# Altium PCB BW1097.PcbDoc (part 4 of 7) (continued)
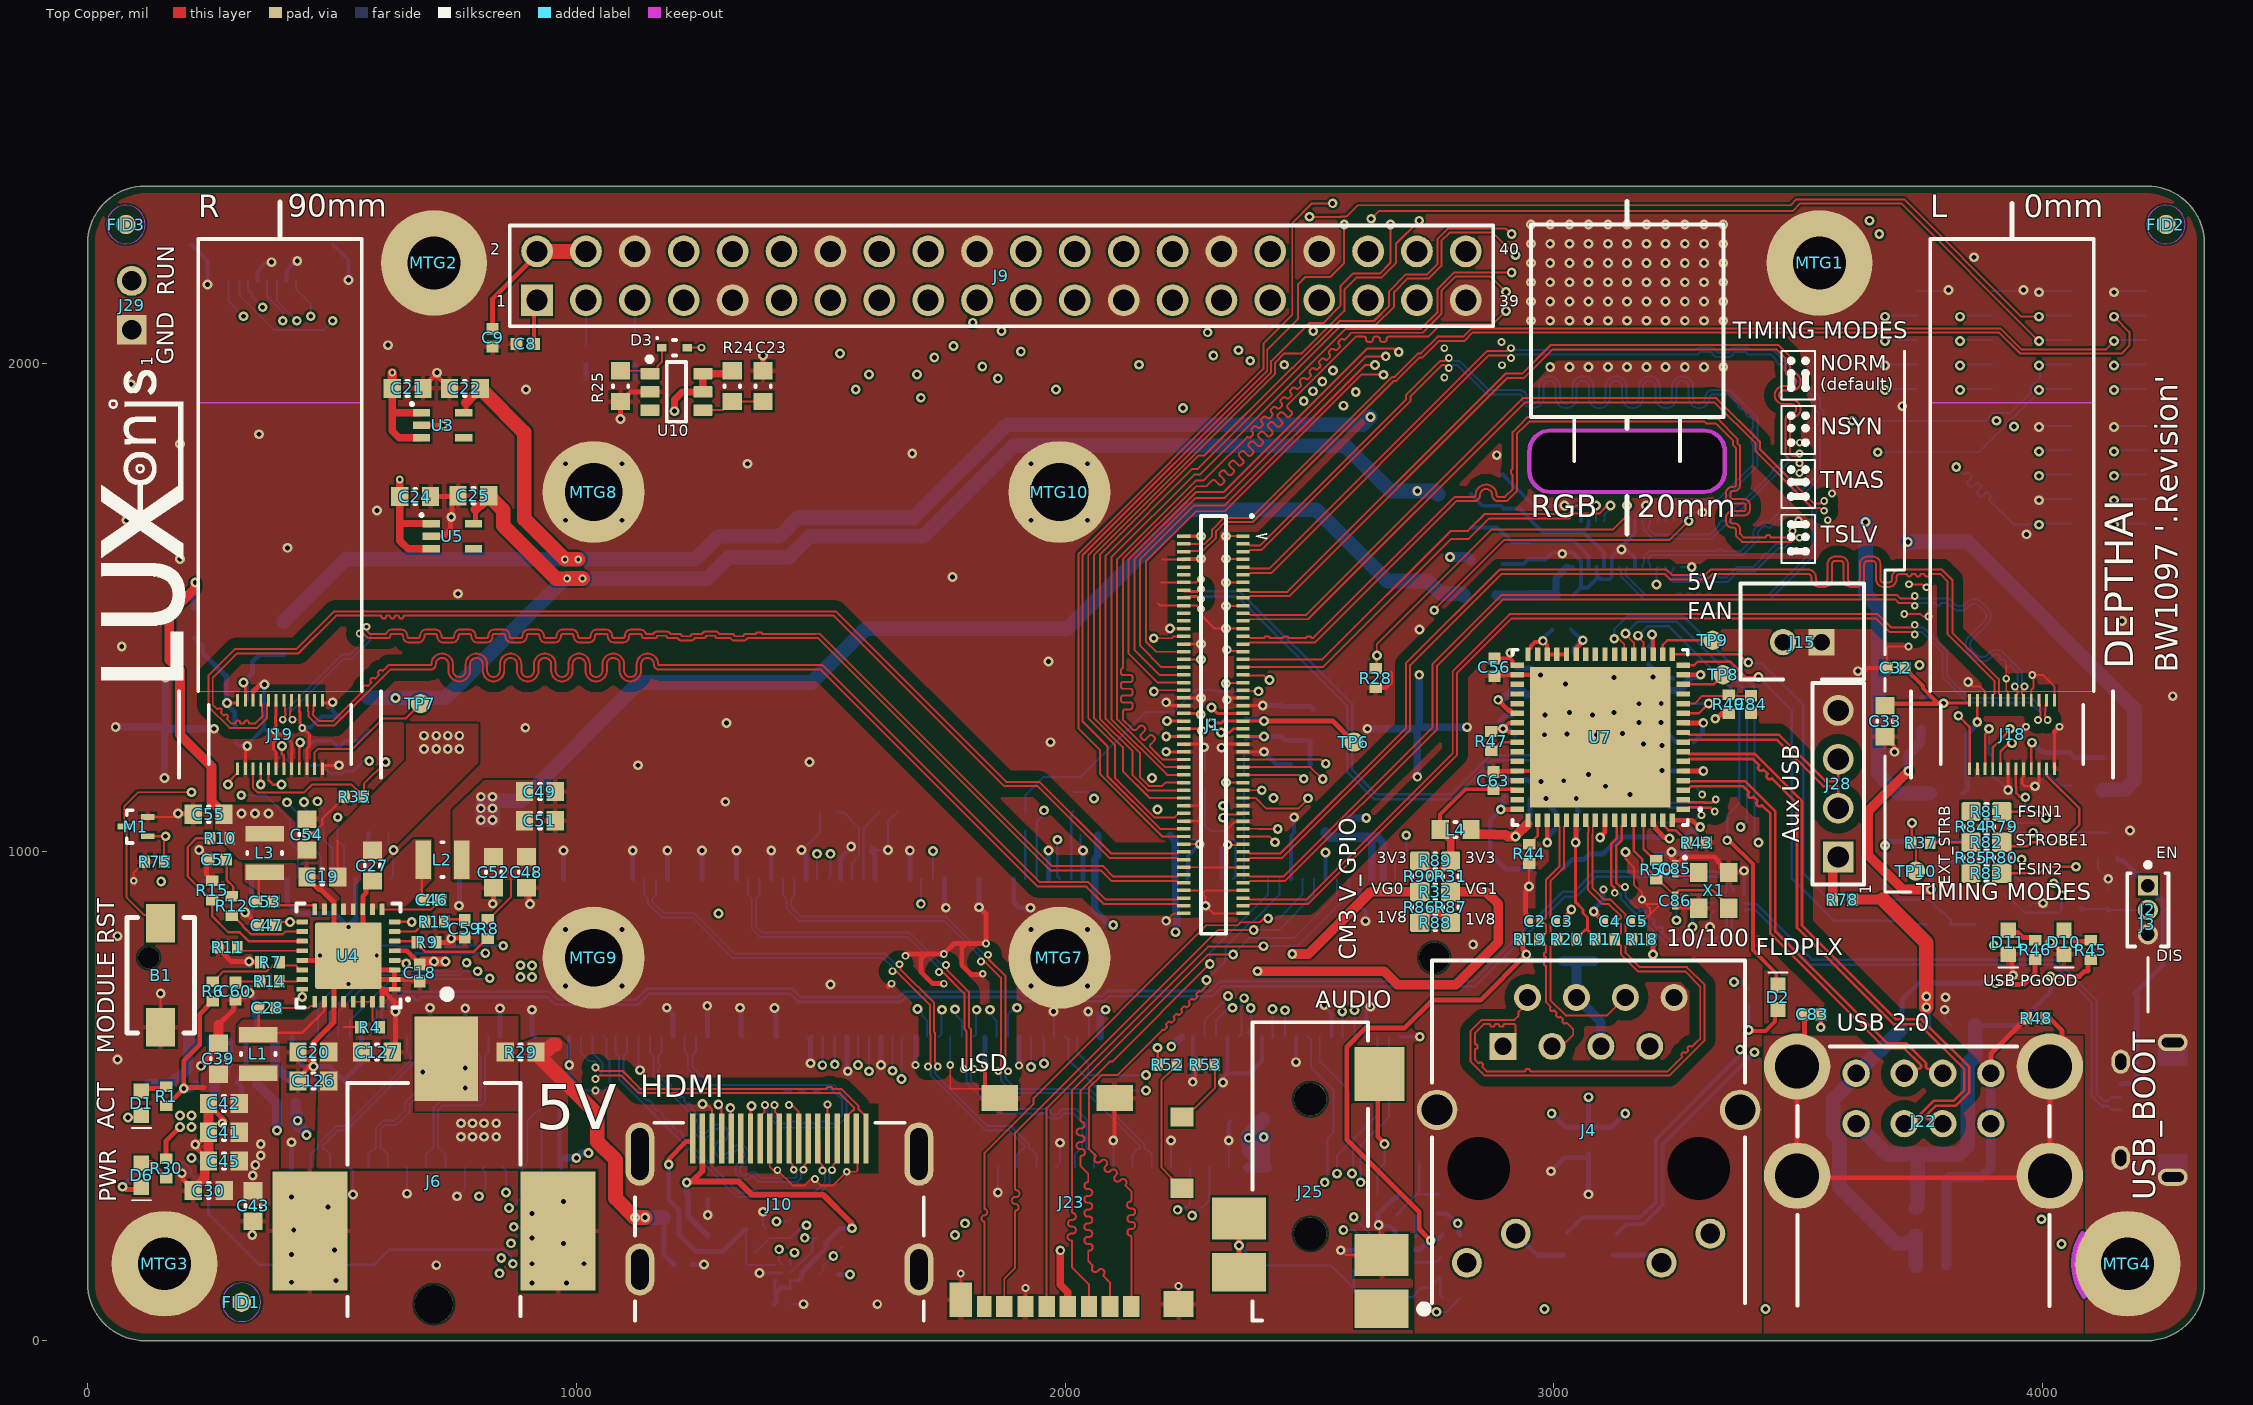
[diagram p0: Top Copper view]
## Nets (pads, with @x,y where several pads share a name; then routed paths per layer and width w, separated by ;. In a path a pad name is that pad's centre, name@x,y a point inside that pad or via, vN(x,y) a via of type N, cw(c..) or ccw(c..) an arc to the next point about the centre after c; other vN are vias at no path point) (continued)
HDMI_D1_P: J10.4 J24.125 | length 729.9
  Top Copper w4: v2(1523.28,348.86) 1525.58,351.16 1525.58,359.83 1533.47,367.72 J10.4@1533.47,413.39
  Bottom Copper w4: J24.125@1079.86,621.89 1079.86,589.01 1087.17,581.7 1087.17,535.41 1328.43,294.15 1490.67,294.15 1517.78,321.26 1517.78,340.52 1523.28,346.02 v2(1523.28,348.86)
HDMI_D2_N: J10.3 J24.129 | length 730.4
  Top Copper w4: v2(1039.37,535.43) 1040.4,535.43 1047.71,542.74 1091,542.74 1127.44,506.3 1538.26,506.3 1568.34,476.22 1568.34,472.91 1565.99,470.57 1564.66,470.57 1553.15,459.05 J10.3@1553.15,413.39
  Bottom Copper w4: J24.129@1032.61,621.89 1032.61,589.01 1040,581.62 1040.18,581.62 1053.37,568.43 1053.37,549.43 v2(1039.37,535.43)
HDMI_D2_P: J10.1 J24.131 | length 733.7
  Top Copper w4: v2(1039.37,559.05) 1040.4,559.05 1047.71,551.74 1094.73,551.74 1131.17,515.3 1496.06,515.3 1511.99,515.3 cw(c1515.99,515.3) 1515.99,519.3 1519.99,519.3 cw(c1519.99,515.3) 1523.99,515.3 1535.99,515.3 1541.99,515.3 1577.34,479.95 1577.34,472.91 1579.68,470.57 1581.01,470.57 1592.52,459.05 J10.1@1592.52,413.39
  Bottom Copper w4: J24.131@1008.99,621.89 1008.99,589.01 1025.38,572.62 1036.45,572.62 1038.8,570.28 1038.8,564.6 1039.2,564.19 1041.33,564.19 1039.37,562.23 v2(1039.37,559.05)
HDMI_HPD: J10.19 Q4.1 U2.C3 | length 535.1
  Top Copper w10: v1(1188.94,360.24) 1188.94,371.6 1225.07,407.73 1238.19,407.73 J10.19@1238.19,413.39
  Bottom Copper w4: Q4.1@1347.18,230.12 1347.18,227.95 1347.18,159.45 1351.85,154.78 1405.98,154.78 U2.C3@1406.23,154.53
  Bottom Copper w10: v1(1188.94,360.24) 1188.94,288.51 1209.78,267.67 1209.78,216.93 1243.83,182.87 1299.93,182.87 1342.14,225.08 1344.31,225.08 Q4.1@1347.18,227.95
HDMI_HPD_N_1V8: J24.88 Q4.3 R27.1 | length 977.7
  Signal Layer 3 w4: v1(1470.67,236.22) 1470.67,335.85 1478.73,343.91 1478.73,545.36 1461.1,562.98 1461.1,839.05 1519.68,897.63 v1(1519.68,996.06)
  Bottom Copper w4: Q4.3@1366.86,179.33 1366.86,181.5 1395.8,210.43 R27.1@1437.73,210.43 1457.69,230.39 1457.69,231.89 1466.34,231.89 v1(1470.67,236.22) ; J24.88@1516.86,944.72 1515.75,945.84 1519.68,949.78 v1(1519.68,996.06)
HDMI_SCL: J10.15 J24.175 U2.A3 | length 2144
  Top Copper w4: J10.15@1316.93,413.39 1315.94,414.37 1315.94,475.39 v1@1316.93,476.38
  Signal Layer 2 w4: v1(866.14,199.24) 899.87,232.97 1393.54,232.97 v1(1446.39,180.12)
  Signal Layer 3 w4: v1(775.59,773.26) 825,773.26 855.67,742.59 855.67,729.93 882.05,703.55 882.05,417.96 825,360.91 825,296.69 814.2,285.89 814.2,234.59 849.56,199.24 v1(866.14,199.24) ; v1(1314.96,476.38) 1314.96,311.55 1365.89,260.62 1365.89,257.15 1375.26,247.78 1378.73,247.78 v1(1446.39,180.12)
  Bottom Copper w4: J24.175@489.31,621.89 494.79,627.37 494.79,672.05 520.77,698.03 521.69,698.03 550.12,726.45 550.12,727.38 578.55,755.81 645.28,755.81 645.36,755.73 758.06,755.73 v1(775.59,773.26) ; U2.A3@1437.73,154.53 1437.73,168.98 1446.39,177.64 v1(1446.39,180.12)
HDMI_SDA: J10.16 J24.173 U2.B3 | length 2136.3
  Top Copper w4: v1(1290.51,483.49) 1296.04,483.49 1297.24,482.28 J10.16@1297.24,413.39
  Signal Layer 2 w4: v1(846.45,169.29) 849.52,172.35 858.37,172.35 859.5,173.48 867.83,173.48 880.14,185.79 929.88,185.79 969.06,224.97 1377.13,224.97 1414.9,187.2 v1(1414.9,186.93)
  Signal Layer 3 w4: v1(798.09,755.81) 799.78,757.49 829.45,757.49 847.67,739.27 847.67,726.62 871.59,702.7 871.59,418.81 784.72,331.95 784.72,231.02 v1(846.45,169.29) ; v1(1290.51,483.49) 1290.51,311.59 1414.9,187.2 v1(1414.9,186.93)
  Bottom Copper w4: J24.173@512.93,621.89 512.93,671.99 588.74,747.81 641.97,747.81 642.04,747.73 761.38,747.73 769.45,755.81 v1(798.09,755.81) ; v1(1414.9,186.93) 1414.9,161.61 U2.B3@1421.98,154.53
I2C1_SCL: J1.35 J11.20 | length 924.8
  Top Copper w4: J1.35@2364.76,1377.95 2527.14,1377.95 2789.35,1640.16 2825.16,1640.16 2866.95,1681.94 3031.61,1681.94 3041.83,1692.16 3092.78,1692.16 3106.41,1705.79 3112.76,1705.79 v1(3115.63,1708.66)
  Bottom Copper w4: J11.20@3102.36,1677.17 3103.78,1678.59 3103.78,1690.4 3115.63,1702.25 v1(3115.63,1708.66)
I2C1_SDA: J1.33 J11.19 | length 883.2
  Top Copper w4: J1.33@2364.92,1393.8 2526.26,1393.8 2789.29,1656.83 2823.71,1656.83 2857.83,1690.94 3027.88,1690.94 3045.6,1708.66 v1(3085.94,1708.66)
  Bottom Copper w4: v1(3085.94,1708.66) 3085.94,1677.84 J11.19@3086.61,1677.17
I2C2_SCL: J1.77 J18.21 J19.21 | length 3968.8
  Top Copper w4: J1.77@2364.92,1047.35 2395.43,1047.35 2395.74,1047.03 v1(2434.99,1047.03)
  Top Copper w5: v1(354.33,1137.79) J19.21@354.33,1175.59 ; J18.21@3897.64,1175.59 3897.64,1213.88 3933.06,1249.3 v1(3933.06,1251.97)
  Signal Layer 2 w4: v1(354.33,1137.79) 372.05,1137.79 388.05,1153.79 407.1,1153.79 437.01,1123.88 472.93,1123.88 501.49,1095.32 526.22,1095.32 580.67,1040.87 979.79,1040.87 989.83,1050.91 2409.21,1050.91 2413.09,1047.03 v1(2434.99,1047.03) 2616.03,1047.03 2639.83,1070.83 2897.6,1070.83 2898.46,1071.69 3252.18,1071.69 3288.75,1035.13 3330.07,1035.13 3362.13,1067.18 3529.61,1067.18 3544.86,1051.93 3697.6,1051.93 3712.35,1066.68 3712.35,1073.56 3874.76,1235.97 3917.06,1235.97 v1(3933.06,1251.97)
I2C2_SDA: J1.79 J18.20 J19.20 | length 3979.1
  Top Copper w4: 370.08,1146.81 J19.20@370.08,1175.59 ; J1.79@2364.92,1031.6 2417.21,1031.6 v1(2429.13,1019.68)
  Top Copper w5: 370.08,1146.81 379.1,1137.79 v1(396.66,1137.79) ; J18.20@3913.39,1175.59 3913.39,1205.35 3927.6,1219.57 3934.14,1219.57 v1(3937.01,1222.44)
  Signal Layer 2 w4: v1(396.66,1137.79) 396.66,1116.46 391.96,1111.76 391.96,1094.75 394.08,1092.63 394.08,1056.79 431.21,1019.65 587.14,1019.65 600.36,1032.87 983.1,1032.87 993.15,1042.91 2405.9,1042.91 v1(2429.13,1019.68) 2600,1019.68 2638.39,1058.08 2822.44,1058.08 2828.18,1052.33 2906.03,1052.33 2917.39,1063.69 3248.87,1063.69 3285.43,1027.13 3333.39,1027.13 3345.88,1039.62 3370.81,1039.62 3375.26,1035.18 3411.37,1035.18 3411.48,1035.29 3677.33,1035.29 3684.92,1027.7 3742.27,1027.7 v1(3937.01,1222.44)
I2C3_SCL: J1.78 J5.2 | length 3507.8
  Top Copper w4: J1.78@2242.52,1047.24 2194.41,1047.24 2086.61,1155.04 2086.61,1216.54 2035.43,1267.72 2035.43,1606.8 2413.39,1984.75 2413.39,2027.56 2476.38,2090.55 2476.38,2161.42 2490.61,2175.65 2541.79,2175.65 2570.87,2204.72 v1(2570.87,2283.46)
  Signal Layer 2 w4: v1(2570.87,2283.46) 2606.43,2319.02 2728.47,2319.02 2732.28,2322.83 3409.45,2322.83 3424.94,2307.34 3940.69,2307.34 4118.11,2129.92 4118.11,1972.44 v1(4145.67,1944.88)
  Bottom Copper w4: v1(4145.67,1944.88) 4148.03,1947.24 J5.2@4210.63,1947.24
I2C3_SDA: J1.80 J5.4 | length 3587.7
  Top Copper w4: J1.80@2242.52,1031.5 2198.84,1031.5 2070.87,1159.47 2070.87,1208.66 2027.43,1252.09 2027.43,1610.11 2405.39,1988.06 2405.39,2039.24 2464.57,2098.43 2464.57,2286.41 2504.93,2326.77 v1(2547.24,2326.77) v1@2547.5,2327.02
  Signal Layer 2 w4: v1@2547.5,2327.02 2711.29,2327.02 2718.91,2334.65 3417.32,2334.65 3436.63,2315.34 4023.24,2315.34 4157.48,2181.1 4157.48,2155.7 4161.67,2151.51 4161.67,2010.88 v1(4145.67,1994.88)
  Bottom Copper w4: v1(4145.67,1994.88) 4148.03,1997.24 J5.4@4210.63,1997.24
LED_GRN: J4.10 R16.2 | length 115.9
  Bottom Copper w10: J4.10@2921.85,219.19 2965.85,175.2 R16.2@3019.56,175.2
LED_YEL: J4.11 R23.2 | length 105.5
  Bottom Copper w10: R23.2@3120.95,175.2 3204.04,175.2 J4.11@3219.88,159.35
LX1: C28.2 L1.1 U4.26 | length 227
  Top Copper w5: L1.1@349.31,626.92 L1.1@349.83,627.44 ; C28.2@349.83,680.98 L1.1@349.83,627.44 ; U4.26@484.46,693.39 484.46,675.01 439.69,630.24 352.63,630.24 L1.1@349.83,627.44
LX2: C46.2 L2.1 U4.10 | length 85
  Top Copper w5: L2.1@685.76,984.25 683.6,982.09 683.6,904.92 C46.2@686.94,901.57
LX3: C53.2 L3.1 U4.15 | length 66.5
  Top Copper w5: C53.2@344.59,898.23 350.71,904.35 350.71,945.79 L3.1@362.31,957.39
MIPI_RX2_C_N: J1.95 J18.11 | length 2156.1
  Top Copper w4: J1.95@2364.92,905.61 2375.35,905.61 2378.72,902.24 2492.94,902.24 2792.84,1202.14 2792.84,1370.01 2909.39,1486.56 3662.25,1486.56 3689.79,1459.01 3730.41,1459.01 3735.91,1464.51 v2(3738.07,1464.51) ; J18.11@4007.87,1304.72 4005.35,1302.2 4005.35,1287.08 4004.53,1286.27 4004.53,1278.42 4010,1272.96 v2(4010,1270.08)
  Bottom Copper w4: v2(3738.07,1464.51) 3740.91,1464.51 3746.41,1459.01 3755.8,1459.01 3803.87,1410.94 3803.87,1360.52 3849.59,1314.79 3977.52,1314.79 4004.5,1287.81 4004.5,1278.42 4010,1272.92 v2(4010,1270.08)
MIPI_RX2_C_P: J1.97 J18.10 | length 2158.3
  Top Copper w4: J1.97@2364.92,889.86 2375.35,889.86 2378.72,893.24 2496.67,893.24 2801.84,1198.41 2801.84,1366.28 2913.12,1477.56 3658.52,1477.56 3686.06,1450.01 3722.92,1450.01 3730.41,1450.01 3735.91,1444.51 v2(3738.07,1444.51) ; v2(3990,1270.08) 3990,1273.88 3995.47,1279.35 3995.47,1286.27 3994.65,1287.08 3994.65,1302.2 J18.10@3992.13,1304.72
  Bottom Copper w4: v2(3738.07,1444.51) 3740.91,1444.51 3746.41,1450.01 3752.07,1450.01 3794.87,1407.22 3794.87,1356.79 3845.87,1305.79 3881.89,1305.79 3904.44,1305.79 cw(c3904.44,1303.94) 3906.29,1303.94 ccw(c3909.44,1303.94) 3909.44,1300.79 3912.14,1300.79 ccw(c3912.14,1303.94) 3915.29,1303.94 cw(c3917.14,1303.94) 3917.14,1305.79 3922.44,1305.79 cw(c3922.44,1303.94) 3924.29,1303.94 ccw(c3927.44,1303.94) 3927.44,1300.79 3930.14,1300.79 ccw(c3930.14,1303.94) 3933.29,1303.94 cw(c3935.14,1303.94) 3935.14,1305.79 3940.44,1305.79 cw(c3940.44,1303.94) 3942.29,1303.94 ccw(c3945.44,1303.94) 3945.44,1300.79 3948.14,1300.79 ccw(c3948.14,1303.94) 3951.29,1303.94 cw(c3953.14,1303.94) 3953.14,1305.79 3960.29,1305.79 3969.29,1305.79 3973.79,1305.79 3979.59,1299.99 3985.95,1293.62 3992.32,1287.26 3995.5,1284.08 3995.5,1278.42 3990,1272.92 v2(3990,1270.08)
MIPI_RX2_D0_N: J1.89 J18.8 | length 2166.7
  Top Copper w4: J1.89@2364.92,952.86 2375.35,952.86 2378.69,949.52 2446.33,949.52 2751.83,1255.01 2751.83,1384.76 2892.48,1525.42 3702.15,1525.42 3709.5,1518.07 3730.41,1518.07 3735.91,1523.57 v2(3738.07,1523.57) ; J18.8@3960.63,1304.72 3960.63,1319.84 3957.29,1323.18 3957.29,1330.24 3962.76,1335.71 v2(3962.76,1338.58)
  Bottom Copper w4: v2(3738.07,1523.57) 3740.91,1523.57 3746.41,1518.07 3808.7,1518.07 3820.24,1506.53 ccw(c3830.18,1516.47) 3840.09,1506.51 ; 3840.11,1506.53 3843.07,1509.49 cw(c3859.37,1493.19) 3875.66,1509.49 3886.91,1498.24 cw(c3870.61,1481.95) 3893.66,1481.95 cw(c3870.61,1481.95) 3886.91,1465.65 3854.76,1433.5 ccw(c3864.7,1423.57) 3854.76,1413.63 3866.01,1402.39 ccw(c3875.94,1412.32) 3885.85,1402.37 ; 3885.87,1402.39 3890.97,1407.48 cw(c3905.13,1393.32) 3919.29,1407.48 3957.26,1369.52 3957.26,1346.93 3962.76,1341.43 v2(3962.76,1338.58)
MIPI_RX2_D0_P: J1.91 J18.7 | length 2169.8
  Top Copper w4: J1.91@2364.92,937.11 2375.35,937.11 2378.76,940.52 2450.06,940.52 2760.83,1251.28 2760.83,1381.04 2896.21,1516.42 3698.42,1516.42 3705.77,1509.07 3730.41,1509.07 3735.91,1503.57 v2(3738.07,1503.57) ; v2(3942.76,1338.58) 3942.76,1335.71 3948.22,1330.24 3948.22,1323.18 3944.88,1319.84 J18.7@3944.88,1310.04 J18.7@3944.88,1304.72
  Bottom Copper w4: v2(3738.07,1503.57) 3740.91,1503.57 3746.41,1509.07 3775.7,1509.07 3779.93,1509.07 cw(c3779.93,1507.22) 3781.78,1507.22 ccw(c3784.93,1507.22) 3784.93,1504.07 3787.63,1504.07 ccw(c3787.63,1507.22) 3790.78,1507.22 cw(c3792.63,1507.22) 3792.63,1509.07 3795.28,1509.07 3804.98,1509.07 3813.88,1500.17 ccw(c3830.18,1516.47) 3846.47,1500.17 3849.43,1503.12 ; 3849.45,1503.14 cw(c3859.37,1493.19) 3869.3,1503.12 ; 3869.3,1503.13 3880.55,1491.88 cw(c3870.61,1481.95) 3884.66,1481.95 cw(c3870.61,1481.95) 3880.54,1472.01 3848.4,1439.86 ccw(c3864.7,1423.57) 3848.4,1407.27 3859.64,1396.02 ccw(c3875.94,1412.32) 3892.24,1396.02 3897.33,1401.12 cw(c3905.13,1393.32) 3912.93,1401.12 3913.25,1400.79 3911.95,1399.48 ccw(c3914.17,1397.25) 3911.95,1395.03 3913.86,1393.12 ccw(c3916.08,1395.34) 3918.31,1393.12 cw(c3919.62,1391.81) 3920.93,1393.12 3924.67,1389.37 cw(c3923.37,1388.06) 3924.67,1386.75 ccw(c3926.9,1384.53) 3924.67,1382.3 3926.58,1380.39 ccw(c3928.81,1382.62) 3931.04,1380.39 cw(c3932.35,1379.08) 3933.65,1380.39 3938.71,1375.33 3945.07,1368.97 3948.26,1365.79 3948.26,1346.93 3942.76,1341.43 v2(3942.76,1338.58)
MIPI_RX2_D1_N: J1.83 J18.5 | length 2287.4
  Top Copper w4: J1.83@2364.92,1000.1 2375.35,1000.1 2378.73,996.73 2398.11,996.73 2440.3,996.73 2696.85,1253.27 2696.85,1385.76 2888.53,1577.44 3230.56,1577.44 3241.33,1566.68 3309.85,1566.68 3320.85,1577.68 3519.55,1577.68 cw(c3519.55,1561.63) 3535.6,1561.63 3535.6,1558.02 ccw(c3542.65,1558.02) 3542.65,1550.97 3552.55,1550.97 ccw(c3552.55,1558.02) 3559.6,1558.02 3559.6,1588.33 cw(c3575.65,1588.33) 3575.65,1604.38 3585.55,1604.38 cw(c3585.55,1588.33) 3601.6,1588.33 3601.6,1558.02 ccw(c3608.65,1558.02) 3608.65,1550.97 3618.55,1550.97 ccw(c3618.55,1558.02) 3625.6,1558.02 3625.6,1588.33 cw(c3641.65,1588.33) 3641.65,1604.38 3651.55,1604.38 cw(c3651.55,1588.33) 3667.6,1588.33 3667.6,1558.02 ccw(c3674.65,1558.02) 3674.65,1550.97 3684.55,1550.97 ccw(c3684.55,1558.02) 3691.6,1558.02 3691.6,1561.63 cw(c3707.65,1561.63) 3707.65,1577.68 3793.56,1577.68 3815.04,1556.2 3815.04,1448.56 3910.01,1353.59 3910.01,1323.18 3913.39,1319.8 J18.5@3913.39,1304.72
MIPI_RX2_D1_P: J1.85 J18.4 | length 2289.6
  Top Copper w4: J1.85@2364.92,984.35 2375.35,984.35 2378.72,987.73 2401.84,987.73 2444.03,987.73 2705.85,1249.55 2705.85,1382.03 2892.26,1568.44 3226.84,1568.44 3237.6,1557.68 3313.58,1557.68 3324.58,1568.68 3519.55,1568.68 cw(c3519.55,1561.63) 3526.6,1561.63 3526.6,1558.02 ccw(c3542.65,1558.02) 3542.65,1541.97 3552.55,1541.97 ccw(c3552.55,1558.02) 3568.6,1558.02 3568.6,1588.33 cw(c3575.65,1588.33) 3575.65,1595.38 3585.55,1595.38 cw(c3585.55,1588.33) 3592.6,1588.33 3592.6,1558.02 ccw(c3608.65,1558.02) 3608.65,1541.97 3618.55,1541.97 ccw(c3618.55,1558.02) 3634.6,1558.02 3634.6,1588.33 cw(c3641.65,1588.33) 3641.65,1595.38 3651.55,1595.38 cw(c3651.55,1588.33) 3658.6,1588.33 3658.6,1558.02 ccw(c3674.65,1558.02) 3674.65,1541.97 3684.55,1541.97 ccw(c3684.55,1558.02) 3700.6,1558.02 3700.6,1561.63 cw(c3707.65,1561.63) 3707.65,1568.68 3716.54,1568.68 3720.49,1568.68 cw(c3720.49,1566.83) 3722.34,1566.83 ccw(c3725.49,1566.83) 3725.49,1563.68 3728.19,1563.68 ccw(c3728.19,1566.83) 3731.34,1566.83 cw(c3733.19,1566.83) 3733.19,1568.68 3738.49,1568.68 cw(c3738.49,1566.83) 3740.34,1566.83 ccw(c3743.49,1566.83) 3743.49,1563.68 3746.19,1563.68 ccw(c3746.19,1566.83) 3749.34,1566.83 cw(c3751.19,1566.83) 3751.19,1568.68 3756.49,1568.68 cw(c3756.49,1566.83) 3758.34,1566.83 ccw(c3761.49,1566.83) 3761.49,1563.68 3764.19,1563.68 ccw(c3764.19,1566.83) 3767.34,1566.83 cw(c3769.19,1566.83) 3769.19,1568.68 3776.34,1568.68 3785.34,1568.68 3789.84,1568.68 3805.42,1553.1 3805.42,1445.46 3901.01,1349.87 3901.01,1323.18 3897.64,1319.8 J18.4@3897.64,1310.04 J18.4@3897.64,1304.72
MIPI_RX3_C_N: J1.96 J19.11 | length 2500.8
  Top Copper w4: J19.11@464.57,1304.72 462.04,1302.2 462.04,1287.12 461.19,1286.27 461.19,1280.61 474.09,1267.72 501.49,1267.72 558.58,1324.81 565.1,1331.33 cw(c568.99,1335.22) 565.1,1339.11 cw(c568.99,1335.22) 572.88,1339.11 580.66,1346.89 cw(c584.55,1350.78) 580.66,1354.67 cw(c584.55,1350.78) 588.44,1354.67 596.22,1362.44 cw(c600.11,1366.33) 596.22,1370.22 cw(c600.11,1366.33) 604,1370.22 611.77,1378 615.66,1381.89 701.49,1381.89 ccw(c701.49,1383.89) 703.49,1383.89 cw(c725.49,1383.89) 747.49,1383.89 747.49,1370.89 ccw(c760.49,1370.89) 773.49,1370.89 773.49,1383.89 cw(c795.49,1383.89) 817.49,1383.89 817.49,1370.89 ccw(c830.49,1370.89) 843.49,1370.89 843.49,1383.89 cw(c865.49,1383.89) 887.49,1383.89 887.49,1370.89 ccw(c900.49,1370.89) 913.49,1370.89 913.49,1383.89 cw(c935.49,1383.89) 957.49,1383.89 957.49,1370.89 ccw(c970.49,1370.89) 983.49,1370.89 983.49,1383.89 cw(c1005.49,1383.89) 1027.49,1383.89 1027.49,1370.89 ccw(c1040.49,1370.89) 1053.49,1370.89 1053.49,1383.89 cw(c1075.49,1383.89) 1097.49,1383.89 1097.49,1370.89 ccw(c1110.49,1370.89) 1123.49,1370.89 1123.49,1383.89 cw(c1145.49,1383.89) 1167.49,1383.89 ccw(c1169.49,1383.89) 1169.49,1381.89 1503.81,1381.89 1947.59,938.1 2047.32,938.1 2083.19,902.24 2195.79,902.24 2195.89,902.14 2227.73,902.14 2231.2,905.61 J1.96@2241.69,905.61
MIPI_RX3_C_P: J1.98 J19.10 | length 2496.8
  Top Copper w4: J19.10@448.82,1304.72 451.35,1302.2 451.35,1287.12 452.19,1286.27 452.19,1276.89 470.36,1258.72 505.22,1258.72 619.39,1372.89 701.49,1372.89 ccw(c701.49,1383.89) 712.49,1383.89 cw(c725.49,1383.89) 738.49,1383.89 738.49,1370.89 ccw(c760.49,1370.89) 782.49,1370.89 782.49,1383.89 cw(c795.49,1383.89) 808.49,1383.89 808.49,1370.89 ccw(c830.49,1370.89) 852.49,1370.89 852.49,1383.89 cw(c865.49,1383.89) 878.49,1383.89 878.49,1370.89 ccw(c900.49,1370.89) 922.49,1370.89 922.49,1383.89 cw(c935.49,1383.89) 948.49,1383.89 948.49,1370.89 ccw(c970.49,1370.89) 992.49,1370.89 992.49,1383.89 cw(c1005.49,1383.89) 1018.49,1383.89 1018.49,1370.89 ccw(c1040.49,1370.89) 1062.49,1370.89 1062.49,1383.89 cw(c1075.49,1383.89) 1088.49,1383.89 1088.49,1370.89 ccw(c1110.49,1370.89) 1132.49,1370.89 1132.49,1383.89 cw(c1145.49,1383.89) 1158.49,1383.89 ccw(c1169.49,1383.89) 1169.49,1372.89 1500.08,1372.89 1943.86,929.1 2043.6,929.1 2079.46,893.24 2192.07,893.24 2192.17,893.14 2227.73,893.14 2231,889.86 J1.98@2241.69,889.86
MIPI_RX3_D0_N: J1.90 J19.8 | length 2376.5
  Top Copper w3.96: v2(570.87,1460.63) 572.86,1458.64 572.86,1450.83 577.56,1446.13 611.13,1446.13 cw(c623.84,1441.65) 623.84,1455.13 640.76,1455.13 cw(c640.76,1441.65) 654.24,1441.65 ccw(c658.76,1441.65) 658.76,1437.13 675.67,1437.13 ccw(c675.67,1441.65) 680.19,1441.65 cw(c693.67,1441.65) 693.67,1455.13 710.59,1455.13 cw(c710.59,1441.65) 724.07,1441.65 ccw(c728.59,1441.65) 728.59,1437.13 745.5,1437.13 ccw(c745.5,1441.65) 750.02,1441.65 cw(c763.5,1441.65) 763.5,1455.13 780.41,1455.13 cw(c780.41,1441.65) 793.89,1441.65 ccw(c798.41,1441.65) 798.41,1437.13 815.33,1437.13 ccw(c815.33,1441.65) 819.85,1441.65 cw(c833.33,1441.65) 833.33,1455.13 850.24,1455.13 cw(c850.24,1441.65) 863.72,1441.65 ccw(c868.24,1441.65) 868.24,1437.13 885.16,1437.13 ccw(c885.16,1441.65) 889.68,1441.65 cw(c903.16,1441.65) 903.16,1455.13 920.07,1455.13 cw(c920.07,1441.65) 933.55,1441.65 ccw(c938.07,1441.65) 938.07,1437.13 954.98,1437.13 ccw(c954.98,1441.65) 959.51,1441.65 cw(c972.98,1441.65) 972.98,1455.13 989.9,1455.13 cw(c989.9,1441.65) 1003.38,1441.65 ccw(c1007.9,1441.65) 1007.9,1437.13 1024.81,1437.13 ccw(c1024.81,1441.65) 1029.33,1441.65 cw(c1042.81,1441.65) 1042.81,1455.13 1059.73,1455.13 cw(c1059.73,1441.65) 1073.21,1441.65 ccw(c1077.73,1441.65) 1077.73,1437.13 1094.64,1437.13 ccw(c1094.64,1441.65) 1099.16,1441.65 cw(c1112.64,1441.65) 1112.64,1455.13 1129.55,1455.13 cw(c1129.55,1441.65) 1142.27,1446.13 1157.47,1446.13 cw(c1165.83,1441.65) 1165.83,1451.13 1183.74,1451.13 cw(c1183.74,1441.65) 1192.09,1446.13 1210.83,1446.13 cw(c1210.83,1441.65) 1215.31,1441.65 ; 1215.83,1441.13 1233.74,1441.13 ; 1234.27,1441.65 cw(c1238.74,1441.65) 1238.74,1446.13 1257.48,1446.13 cw(c1265.83,1441.65) 1265.83,1451.13 1283.75,1451.13 cw(c1283.75,1441.65) 1292.1,1446.13 1318.63,1446.13 cw(c1318.63,1441.65) 1323.11,1441.65 ; 1323.63,1441.13 1341.55,1441.13 ; 1342.07,1441.65 cw(c1346.55,1441.65) 1346.55,1446.13 1361.81,1446.13 1367.79,1446.13 cw(c1370.79,1446.13) 1370.79,1449.13 1376.75,1449.13 cw(c1376.75,1446.13) 1379.75,1446.13 1385.83,1446.13 1487.85,1446.13 1488.01,1446.3 1497.94,1446.3
  Top Copper w4: J19.8@417.32,1304.72 414.8,1302.2 414.8,1287.08 413.98,1286.27 413.98,1278.79 419.45,1273.32 v2(419.45,1270.44) ; 1497.94,1446.3 1973,971.24 2076.83,971.24 2098.69,949.38 2227.73,949.38 2231.1,952.76 J1.90@2241.54,952.76
  Bottom Copper w3.96: 413.93,1279.51 413.93,1284.38 ; 413.95,1284.4 524.19,1394.65 540.54,1394.65 579.44,1433.55 579.44,1444.25 572.86,1450.83 572.86,1458.64 v2(570.87,1460.63)
  Bottom Copper w4: 413.95,1284.74 413.95,1284.4 413.95,1278.79 419.45,1273.29 v2(419.45,1270.44)
MIPI_RX3_D0_P: J1.92 J19.7 | length 2370.5
  Top Copper w3.96: v2(556.72,1446.49) 558.72,1444.5 566.53,1444.5 573.85,1437.18 614.84,1437.18 ccw(c614.84,1441.65) 619.32,1441.65 cw(c623.84,1441.65) 623.84,1446.18 640.76,1446.18 cw(c640.76,1441.65) 645.28,1441.65 ccw(c658.76,1441.65) 658.76,1428.18 675.67,1428.18 ccw(c675.67,1441.65) 689.15,1441.65 cw(c693.67,1441.65) 693.67,1446.18 710.59,1446.18 cw(c710.59,1441.65) 715.11,1441.65 ccw(c728.59,1441.65) 728.59,1428.18 745.5,1428.18 ccw(c745.5,1441.65) 758.98,1441.65 cw(c763.5,1441.65) 763.5,1446.18 780.41,1446.18 cw(c780.41,1441.65) 784.94,1441.65 ccw(c798.41,1441.65) 798.41,1428.18 815.33,1428.18 ccw(c815.33,1441.65) 828.81,1441.65 cw(c833.33,1441.65) 833.33,1446.18 850.24,1446.18 cw(c850.24,1441.65) 854.76,1441.65 ccw(c868.24,1441.65) 868.24,1428.18 885.16,1428.18 ccw(c885.16,1441.65) 898.64,1441.65 cw(c903.16,1441.65) 903.16,1446.18 920.07,1446.18 cw(c920.07,1441.65) 924.59,1441.65 ccw(c938.07,1441.65) 938.07,1428.18 954.98,1428.18 ccw(c954.98,1441.65) 968.46,1441.65 cw(c972.98,1441.65) 972.98,1446.18 989.9,1446.18 cw(c989.9,1441.65) 994.42,1441.65 ccw(c1007.9,1441.65) 1007.9,1428.18 1024.81,1428.18 ccw(c1024.81,1441.65) 1038.29,1441.65 cw(c1042.81,1441.65) 1042.81,1446.18 1059.73,1446.18 cw(c1059.73,1441.65) 1064.25,1441.65 ccw(c1077.73,1441.65) 1077.73,1428.18 1094.64,1428.18 ccw(c1094.64,1441.65) 1108.12,1441.65 cw(c1112.64,1441.65) 1112.64,1446.18 1129.55,1446.18 cw(c1129.55,1441.65) 1134.08,1441.65 ccw(c1138.55,1441.65) 1138.55,1437.18 1160.83,1437.18 ccw(c1160.83,1441.65) 1165.3,1441.65 ; 1165.83,1442.18 1183.74,1442.18 ; 1184.26,1441.65 ccw(c1188.74,1441.65) 1188.74,1437.18 1207.48,1437.18 ccw(c1215.83,1441.65) 1215.83,1432.18 1233.74,1432.18 ccw(c1233.74,1441.65) 1242.1,1437.18 1260.83,1437.18 ccw(c1260.83,1441.65) 1265.31,1441.65 ; 1265.83,1442.18 1283.75,1442.18 ; 1284.27,1441.65 ccw(c1288.75,1441.65) 1288.75,1437.18 1315.28,1437.18 ccw(c1323.63,1441.65) 1323.63,1432.18 1341.55,1432.18 ccw(c1341.55,1441.65) 1349.9,1437.18 1487.85,1437.18 1494.34,1437.18 1494.5,1437.01
  Top Copper w4: v2(399.45,1270.44) 399.45,1273.32 404.92,1278.79 404.92,1286.27 404.1,1287.08 404.1,1302.2 J19.7@401.57,1304.72 ; 1494.5,1437.01 1969.27,962.24 2073.1,962.24 2094.96,940.38 2227.73,940.38 2231.1,937.01 J1.92@2241.54,937.01
  Bottom Copper w3.96: 404.95,1288.47 410.2,1293.72 410.6,1293.72 520.48,1403.6 536.83,1403.6 570.48,1437.26 570.48,1440.54 566.53,1444.5 558.72,1444.5 v2(556.72,1446.49)
  Bottom Copper w4: v2(399.45,1270.44) 399.45,1273.29 404.95,1278.79 404.95,1288.47
MIPI_RX3_D1_N: J1.84 J19.5 | length 2497.3
  Top Copper w3.96: 427.88,1415.28 504.72,1492.13 1530.57,1492.13 1879.39,1143.31 1947.26,1143.31 2093.86,996.71 2167.5,996.71 2167.56,996.76
  Top Copper w4: J19.5@370.08,1304.72 367.55,1302.2 367.55,1287.12 366.7,1286.27 366.7,1273.25 347.19,1253.73 290.69,1253.73 247.18,1297.25 247.18,1360.12 302.35,1415.28 427.88,1415.28 ; 2167.56,996.76 2176.59,996.76 2202.61,996.73 2202.71,996.63 2227.73,996.63 2231.2,1000.1 J1.84@2241.69,1000.1
MIPI_RX3_D1_P: J1.86 J19.4 | length 2500.4
  Top Copper w3.96: 1875.65,1134.35 1943.55,1134.35 2090.15,987.75 2167.5,987.75 2167.56,987.69
  Top Copper w4: J19.4@354.33,1304.72 356.86,1302.2 356.86,1287.12 357.7,1286.27 357.7,1276.94 343.49,1262.73 338.99,1262.73 331.49,1262.73 cw(c331.49,1264.23) 329.99,1264.23 ccw(c325.49,1264.23) 325.49,1268.73 ccw(c325.49,1264.23) 320.99,1264.23 cw(c319.49,1264.23) 319.49,1262.73 313.49,1262.73 cw(c313.49,1264.23) 311.99,1264.23 ccw(c307.49,1264.23) 307.49,1268.73 ccw(c307.49,1264.23) 302.99,1264.23 cw(c301.49,1264.23) 301.49,1262.73 294.42,1262.73 291.24,1265.92 285.93,1271.22 cw(c286.99,1272.28) 285.93,1273.34 ccw(c282.75,1276.52) 285.93,1279.7 ccw(c282.75,1276.52) 279.57,1279.7 cw(c278.51,1280.77) 277.45,1279.7 273.21,1283.95 cw(c274.27,1285.01) 273.21,1286.07 ccw(c270.02,1289.25) 273.21,1292.43 ccw(c270.02,1289.25) 266.84,1292.43 cw(c265.78,1293.49) 264.72,1292.43 259.42,1297.74 256.18,1300.97 256.18,1305.47 256.18,1314.47 256.18,1318.9 256.18,1356.36 306.1,1406.28 431.6,1406.28 508.47,1483.15 587.81,1483.15 592.31,1483.15 599.81,1483.15 cw(c599.81,1481.65) 601.31,1481.65 ccw(c605.81,1481.65) 605.81,1477.15 ccw(c605.81,1481.65) 610.31,1481.65 cw(c611.81,1481.65) 611.81,1483.15 617.81,1483.15 cw(c617.81,1481.65) 619.31,1481.65 ccw(c623.81,1481.65) 623.81,1477.15 ccw(c623.81,1481.65) 628.31,1481.65 cw(c629.81,1481.65) 629.81,1483.15 635.81,1483.15 cw(c635.81,1481.65) 637.31,1481.65 ccw(c641.81,1481.65) 641.81,1477.15 ccw(c641.81,1481.65) 646.31,1481.65 cw(c647.81,1481.65) 647.81,1483.15 661.42,1483.15 1526.85,1483.15 1875.65,1134.35 ; 2167.56,987.69 2176.62,987.69 ; 2176.65,987.73 2198.89,987.73 2198.99,987.63 2227.73,987.63 2231,984.35 J1.86@2241.69,984.35
MIPI_RX4_C_N: J1.3 J11.28 | length 2063
  Top Copper w4: J1.3@2364.92,1630.02 2375.35,1630.02 2378.72,1626.65 2398.42,1626.65 2697.36,1925.59 2697.36,1934.91 2767.11,2004.67 2776.5,2004.67 2782,2010.17 v2(2784.84,2010.17)
  Bottom Copper w4: v2(2784.84,2010.17) 2787.69,2010.17 2793.19,2004.67 2806.35,2004.67 2866.14,1944.88 2928.95,1944.88 cw(c2928.95,1929.38) 2944.45,1929.38 ccw(c2956.95,1929.38) 2969.45,1929.38 2969.45,1951.38 cw(c2990.95,1951.38) 3012.45,1951.38 3012.45,1929.38 ccw(c3024.95,1929.38) 3037.45,1929.38 3037.45,1951.38 cw(c3058.95,1951.38) 3080.45,1951.38 3080.45,1929.38 ccw(c3092.95,1929.38) 3105.45,1929.38 3105.45,1951.38 cw(c3126.95,1951.38) 3148.45,1951.38 3148.45,1929.38 ccw(c3160.95,1929.38) 3173.45,1929.38 3173.45,1951.38 cw(c3194.95,1951.38) 3216.45,1951.38 3216.45,1929.38 ccw(c3228.95,1929.38) 3241.45,1929.38 3241.45,1951.38 cw(c3262.95,1951.38) 3284.45,1951.38 3284.45,1929.38 ccw(c3296.95,1929.38) 3309.45,1929.38 cw(c3324.95,1929.38) 3324.95,1944.88 3359.46,1944.88 3416.47,1887.86 3416.47,1789.57 3338.37,1711.47 3239.99,1711.47 3224.97,1696.45 3224.97,1686.05 3228.35,1682.68 J11.28@3228.35,1677.17
MIPI_RX4_C_P: J1.5 J11.27 | length 2061.8
  Top Copper w4: J1.5@2364.92,1614.27 2375.35,1614.27 2378.72,1617.65 2402.14,1617.65 2706.36,1921.86 2706.36,1931.19 2770.84,1995.67 2776.5,1995.67 2782,1990.17 v2(2784.84,1990.17)
  Bottom Copper w4: v2(2784.84,1990.17) 2787.69,1990.17 2793.19,1995.67 2802.63,1995.67 2862.41,1935.88 2928.95,1935.88 cw(c2928.95,1929.38) 2935.45,1929.38 ccw(c2956.95,1929.38) 2978.45,1929.38 2978.45,1951.38 cw(c2990.95,1951.38) 3003.45,1951.38 3003.45,1929.38 ccw(c3024.95,1929.38) 3046.45,1929.38 3046.45,1951.38 cw(c3058.95,1951.38) 3071.45,1951.38 3071.45,1929.38 ccw(c3092.95,1929.38) 3114.45,1929.38 3114.45,1951.38 cw(c3126.95,1951.38) 3139.45,1951.38 3139.45,1929.38 ccw(c3160.95,1929.38) 3182.45,1929.38 3182.45,1951.38 cw(c3194.95,1951.38) 3207.45,1951.38 3207.45,1929.38 ccw(c3228.95,1929.38) 3250.45,1929.38 3250.45,1951.38 cw(c3262.95,1951.38) 3275.45,1951.38 3275.45,1929.38 ccw(c3296.95,1929.38) 3318.45,1929.38 cw(c3324.95,1929.38) 3324.95,1935.88 3355.73,1935.88 3366.05,1925.56 3369.94,1921.67 3377.72,1913.9 ccw(c3379.84,1911.77) 3377.72,1909.65 3381.25,1906.12 ccw(c3383.37,1908.24) 3385.49,1906.12 3393.27,1898.34 ccw(c3395.39,1896.22) 3393.27,1894.1 3396.81,1890.56 ccw(c3398.93,1892.68) 3401.05,1890.56 3407.47,1884.14 3407.47,1878.64 3407.47,1867.64 ccw(c3407.47,1864.64) 3404.47,1864.64 3404.47,1859.64 ccw(c3407.47,1859.64) 3407.47,1856.64 3407.47,1845.64 ccw(c3407.47,1842.64) 3404.47,1842.64 3404.47,1837.64 ccw(c3407.47,1837.64) 3407.47,1834.64 3407.47,1823.64 3407.47,1814.96 3407.47,1793.3 3334.65,1720.47 3236.27,1720.47 3215.97,1700.18 3215.97,1686.05 3212.6,1682.68 J11.27@3212.6,1677.17